# Altium PCB GateDriver_board_pcb.PcbDoc (part 3 of 3)
Units mm, origin at the board's own origin, x right, y up, seen from the top; angles counter-clockwise.
Board outline 138.05 x 67.4 mm, 2 copper layers (Top Layer, Bottom Layer), stack 1.671 mm thick; 340 components, 140 nets, 740 pads, 323 vias.
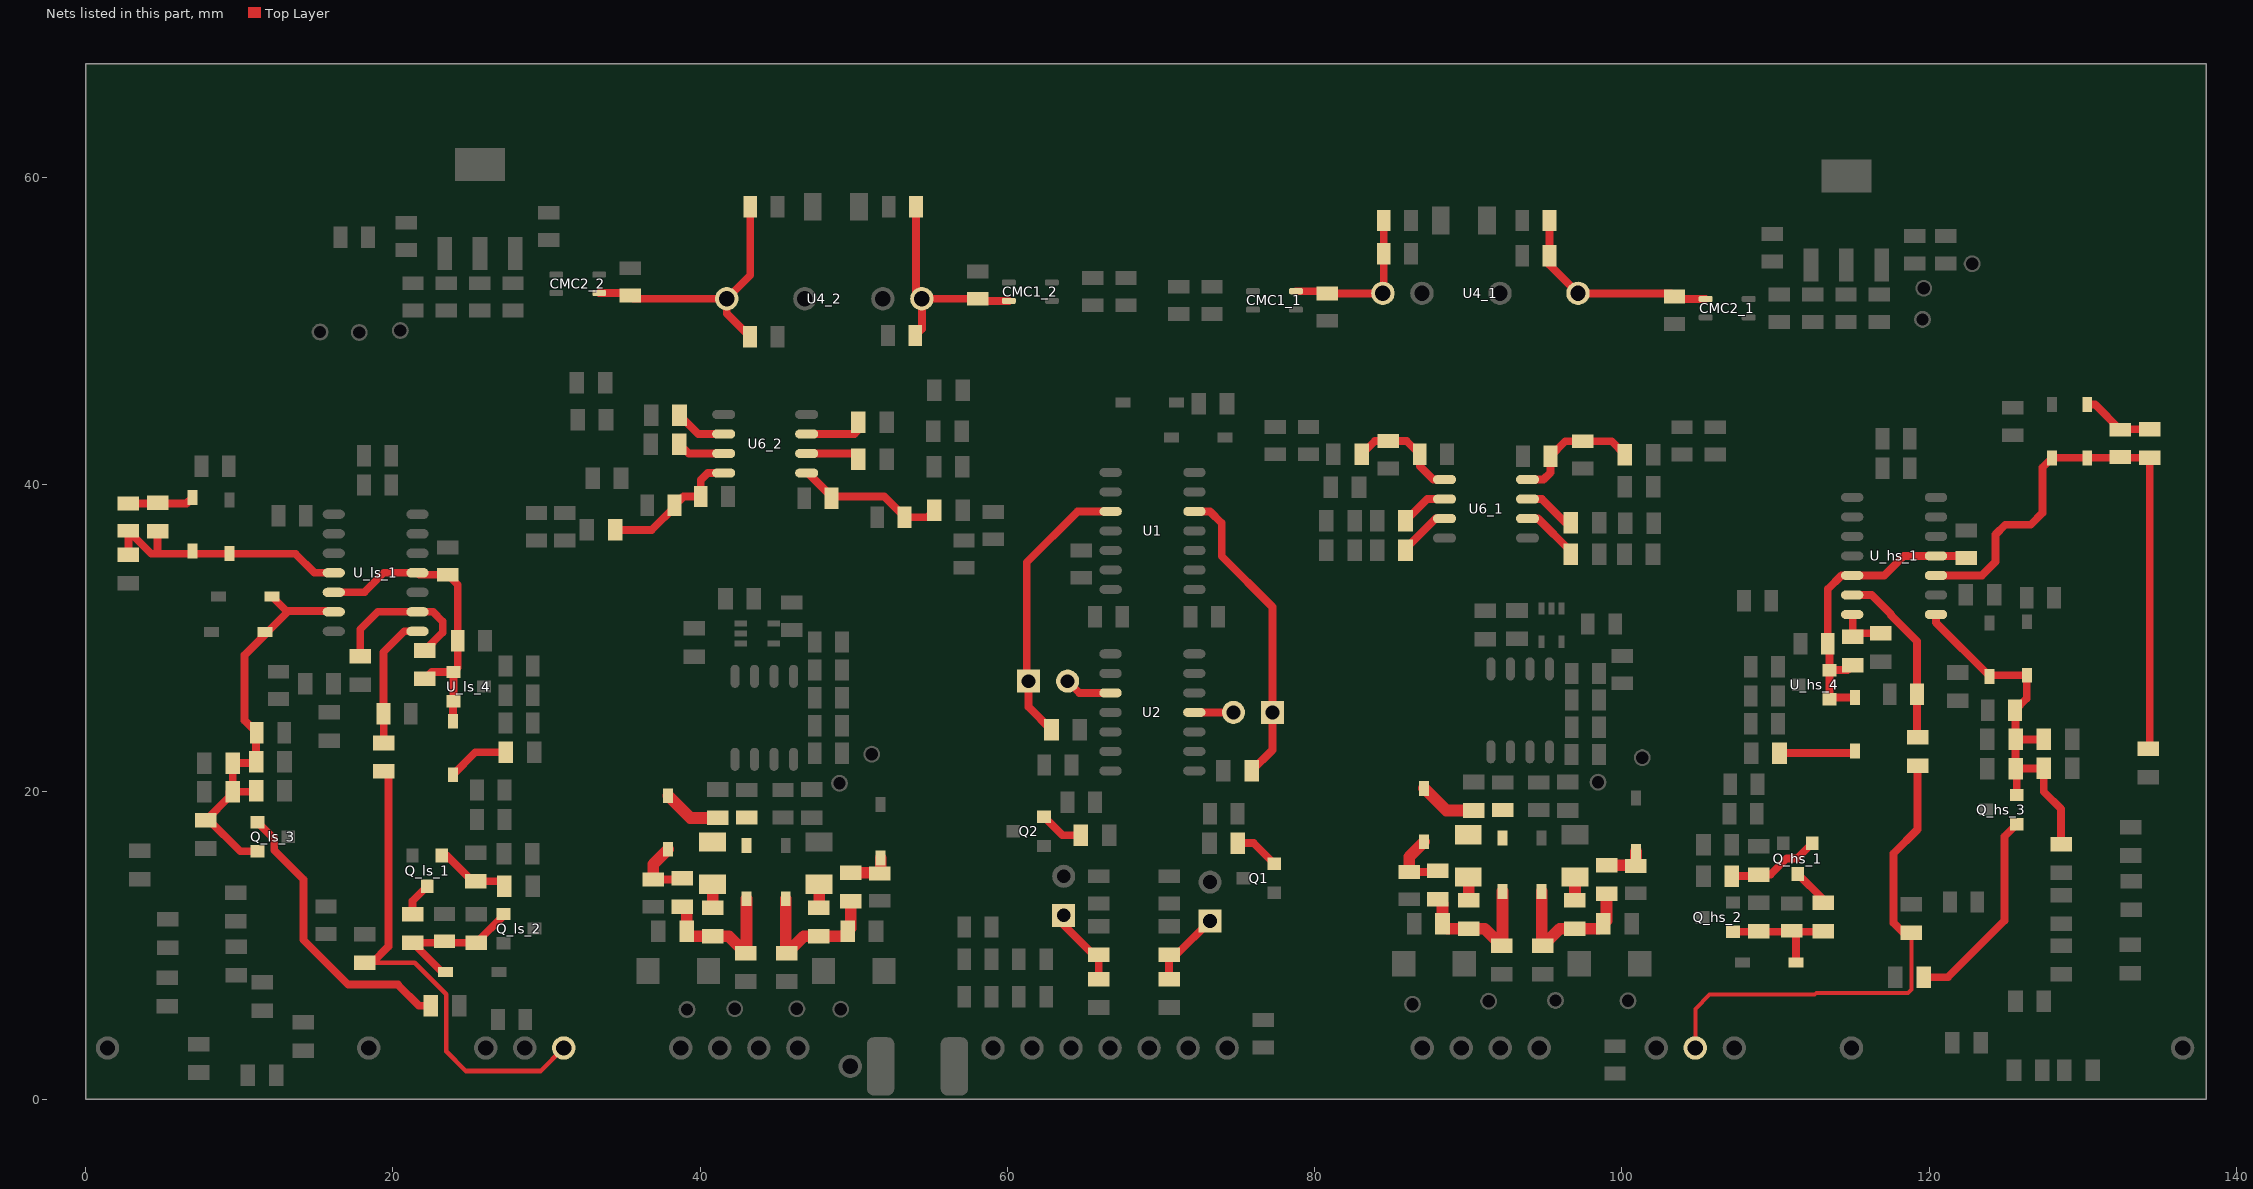
[diagram p3: the nets of this part, all layers, seen from the top]

## Via types
v1: diameter 0.6, hole 0.4, Top Layer to Bottom Layer, tented both sides, 323 vias

## Nets (pads, with @x,y where several pads share a name; then routed paths per layer and width w, separated by ;. In a path a pad name is that pad's centre, name@x,y a point inside that pad or via, vN(x,y) a via of type N, cw(c..) or ccw(c..) an arc to the next point about the centre after c; other vN are vias at no path point) (continued)
NetC23_1_1: C23_1.1 D6_1.1 R14_1.1 | length 2.9
  Top Layer w0.762: R14_1.1@99.002,15.21 100.867,15.21 C23_1.1@100.902,15.175 100.925,15.198 D6_1.1@100.925,16.11
NetC23_2_1: C23_2.1 D6_2.1 R14_2.1 | length 2.9
  Top Layer w0.762: R14_2.1@49.8,14.725 51.665,14.725 51.825,14.885 51.75,14.96 D6_2.1@51.75,15.685
NetC24_1_1: C24_1.1 D8_1.2 D9_1.2 R16_1.1 R17_1.1 | length 3.8
  Top Layer w0.762: D9_1.2@87.127,20.225 88.567,18.785 R16_1.1@90.352,18.785
NetC24_2_1: C24_2.1 D8_2.2 D9_2.2 R16_2.1 R17_2.1 | length 3.8
  Top Layer w0.762: D9_2.2@37.925,19.74 39.365,18.3 R16_2.1@41.15,18.3
NetC25_1_1: C25_1.1 D9_1.1 R18_1.1 | length 4.3
  Top Layer w0.508: C25_1.1@86.152,14.785 87.952,14.785 R18_1.1@88.027,14.86
  Top Layer w0.762: C25_1.1@86.152,14.785 86.152,15.77 D9_1.1@87.127,16.745
NetC25_2_1: C25_2.1 D9_2.1 R18_2.1 | length 4.3
  Top Layer w0.508: C25_2.1@36.95,14.3 38.75,14.3 R18_2.1@38.825,14.375
  Top Layer w0.762: C25_2.1@36.95,14.3 36.95,15.285 D9_2.1@37.925,16.26
NetC26_1_1: C26_1.1 C27_1.1 C28_1.1 CMC1_1.4 U4_1.1 | length 10.5
  Top Layer w0.508: CMC1_1.4@78.789,52.585 80.678,52.585 C27_1.1@80.818,52.445 U4_1.1@84.448,52.445 84.5,52.497 C28_1.1@84.5,55.033 C26_1.1@84.5,57.192
NetC26_2_1: C26_2.1 C27_2.1 C28_2.1 CMC1_2.4 U4_2.1 | length 14.4
  Top Layer w0.508: C28_2.1@54.005,49.7 54.439,50.134 U4_2.1@54.439,52.097 ; C26_2.1@54.062,58.075 54.062,52.474 U4_2.1@54.439,52.097 ; CMC1_2.4@60.098,51.957 58.209,51.957 C27_2.1@58.069,52.097 U4_2.1@54.439,52.097
NetC34_1_1: C34_1.1 C35_1.1 C36_1.1 CMC2_1.1 U4_1.6 | length 14
  Top Layer w0.508: C35_1.1@95.297,57.192 C34_1.1@95.297,54.882 95.297,54.296 U4_1.6@97.148,52.445 103.219,52.445 C36_1.1@103.424,52.24 103.587,52.077 CMC2_1.1@105.453,52.077
NetC34_2_1: C34_2.1 C35_2.1 C36_2.1 CMC2_2.1 U4_2.6 | length 18.2
  Top Layer w0.508: CMC2_2.1@33.434,52.465 35.3,52.465 C36_2.1@35.463,52.302 35.668,52.097 U4_2.6@41.739,52.097 ; C34_2.1@43.25,49.625 41.739,51.136 U4_2.6@41.739,52.097 ; C35_2.1@43.265,58.075 43.265,53.623 U4_2.6@41.739,52.097
NetC_hs_4_2: C_hs_4.2 D_hs_2.1 R_hs_8.1 | length 4.8
  Top Layer w0.508: D_hs_2.1@130.295,45.219 130.804,45.219 C_hs_4.2@132.454,43.569 132.489,43.604 R_hs_8.1@134.359,43.604
NetC_hs_6_1: C_hs_6.1 D_hs_3.1 Q_hs_2.1 R_hs_13.1 R_hs_14.2 | length 8.1
  Top Layer w0.508: Q_hs_2.1@107.242,10.892 111.06,10.892 C_hs_6.1@111.06,10.952 C_hs_6.1@111.12,10.892 ; D_hs_3.1@111.34,8.875 111.34,10.672 C_hs_6.1@111.12,10.892 ; R_hs_13.1@113.1,10.917 113.075,10.892 C_hs_6.1@111.12,10.892
NetC_ls_4_2: C_ls_4.2 D_ls_2.1 R_ls_8.1 | length 4.4
  Top Layer w0.508: C_ls_4.2@2.78,38.767 6.571,38.767 D_ls_2.1@6.971,39.167
NetC_ls_6_1: C_ls_6.1 D_ls_3.1 Q_ls_2.1 R_ls_13.1 R_ls_14.2 | length 9.7
  Top Layer w0.508: D_ls_3.1@23.435,8.275 23.185,8.275 R_ls_13.1@21.285,10.175 R_ls_14.2@25.435,10.175 27.21,11.95 Q_ls_2.1@27.21,12.05
NetD5_1_1: D5_1.1 FB1_1.2 FB2_1.1 R14_1.2 R15_1.2 | length 10.1
  Top Layer w0.762: D5_1.1@94.777,13.52 94.777,10.06 FB2_1.1@94.852,9.985 95.952,11.085 FB1_1.2@96.927,11.085 98.477,11.085 R15_1.2@98.802,11.41 99.002,11.61 R14_1.2@99.002,13.36
NetD5_2_1: D5_2.1 FB1_2.2 FB2_2.1 R14_2.2 R15_2.2 | length 10.1
  Top Layer w0.762: D5_2.1@45.575,13.035 45.575,9.575 FB2_2.1@45.65,9.5 46.75,10.6 FB1_2.2@47.725,10.6 49.275,10.6 R15_2.2@49.6,10.925 49.8,11.125 R14_2.2@49.8,12.875
NetD8_1_1: D8_1.1 FB3_1.2 FB4_1.1 R18_1.2 R19_1.2 | length 9.7
  Top Layer w0.762: R18_1.2@88.027,13.01 88.327,12.71 R19_1.2@88.327,11.41 88.652,11.085 FB3_1.2@90.027,11.085 91.077,11.085 FB4_1.1@92.177,9.985 92.227,10.035 D8_1.1@92.227,13.52
NetD8_2_1: D8_2.1 FB3_2.2 FB4_2.1 R18_2.2 R19_2.2 | length 9.7
  Top Layer w0.762: R18_2.2@38.825,12.525 39.125,12.225 R19_2.2@39.125,10.925 39.45,10.6 FB3_2.2@40.825,10.6 41.875,10.6 FB4_2.1@42.975,9.5 43.025,9.55 D8_2.1@43.025,13.035
NetD_hs_6_2: D_hs_6.2 R_hs_25.1 | length 5
  Top Layer w0.508: R_hs_25.1@110.265,22.524 115.055,22.524 D_hs_6.2@115.182,22.651
NetD_ls_6_2: D_ls_6.2 R_ls_25.1 | length 4.1
  Top Layer w0.508: D_ls_6.2@23.91,21.11 25.371,22.571 R_ls_25.1@27.356,22.571
NetFB1_1_1: FB1_1.1 R13_1.2 | length 1.5
  Top Layer w0.762: FB1_1.1@96.927,12.935 96.952,12.96 R13_1.2@96.952,14.46
NetFB1_2_1: FB1_2.1 R13_2.2 | length 1.5
  Top Layer w0.762: FB1_2.1@47.725,12.45 47.75,12.475 R13_2.2@47.75,13.975
NetFB3_1_1: FB3_1.1 R17_1.2 | length 1.5
  Top Layer w0.762: R17_1.2@90.002,14.46 90.027,14.435 FB3_1.1@90.027,12.935
NetFB3_2_1: FB3_2.1 R17_2.2 | length 1.5
  Top Layer w0.762: R17_2.2@40.8,13.975 40.825,13.95 FB3_2.1@40.825,12.45
NetP1_1: P1.1 R1.2 U1.5 | length 20.2
  Top Layer w0.508: U1.5@72.178,38.25 73.194,38.25 73.956,37.488 73.956,35.329 77.258,32.027 77.258,22.72 R1.2@75.897,21.359
NetP3_1: P3.1 R4.2 R5.1 | length 5.2
  Top Layer w0.508: R4.2@70.527,7.806 R5.1@70.527,9.385 70.999,9.385 P3.1@73.194,11.58
NetP4_1: P4.1 R7.2 U1.10 | length 18.4
  Top Layer w0.508: R7.2@62.871,24.026 61.383,25.514 P4.1@61.383,27.201 61.261,27.323 61.261,34.936 64.575,38.25 U1.10@66.728,38.25
NetP6_1: P6.1 R10.2 R11.1 | length 5.3
  Top Layer w0.508: P6.1@63.669,11.961 63.669,11.326 65.61,9.385 R11.1@65.955,9.385 R10.2@65.955,7.806
NetQ1_2: Q1.2 R2.1 | length 2.9
  Top Layer w0.508: R2.1@75.008,16.66 76.033,16.66 Q1.2@77.369,15.324
NetQ2_2: Q2.2 R8.1 | length 2.9
  Top Layer w0.508: Q2.2@62.383,18.372 63.587,17.168 R8.1@64.776,17.168
NetQ_hs_1_1: Q_hs_1.1 R_hs_9.1 R_hs_10.2 | length 6.1
  Top Layer w0.508: R_hs_10.2@107.167,14.509 108.818,14.509 R_hs_9.1@108.909,14.6 109.671,14.6 110.737,15.666 111.413,15.666 Q_hs_1.1@112.399,16.652
NetQ_hs_1_3: Q_hs_1.3 R_hs_13.2 | length 2.6
  Top Layer w0.508: Q_hs_1.3@111.449,14.652 113.1,13.001 R_hs_13.2@113.1,12.767
NetQ_hs_3_1: Q_hs_3.1 R_hs_20.1 | length 13.4
  Top Layer w0.508: R_hs_20.1@119.65,7.925 121.225,7.925 124.9,11.6 124.9,17.084 Q_hs_3.1@125.707,17.891
NetQ_ls_1_1: Q_ls_1.1 R_ls_9.1 R_ls_10.2 | length 4.9
  Top Layer w0.508: Q_ls_1.1@23.185,15.85 23.51,15.85 25.185,14.175 R_ls_9.1@25.41,14.175 26.935,14.175 R_ls_10.2@27.26,13.85
NetQ_ls_1_3: Q_ls_1.3 R_ls_13.2 | length 2.2
  Top Layer w0.508: R_ls_13.2@21.285,12.025 21.285,12.9 Q_ls_1.3@22.235,13.85
NetQ_ls_3_1: Q_ls_3.1 R_ls_20.1 | length 19
  Top Layer w0.508: Q_ls_3.1@11.185,18.025 12.278,16.932 12.278,16.197 14.175,14.3 14.175,10.375 17.1,7.45 20.325,7.45 21.7,6.075 R_ls_20.1@22.475,6.075
NetR20_1_2: R20_1.2 U6_1.2 | length 3.1
  Top Layer w0.508: R20_1.2@85.919,37.638 87.337,39.056 U6_1.2@88.459,39.056
NetR20_2_2: R20_2.2 U6_2.2 | length 3.5
  Top Layer w0.508: U6_2.2@46.937,42.019 49.916,42.019 R20_2.2@50.297,41.638
NetR21_1_2: R21_1.2 U6_1.7 | length 3.5
  Top Layer w0.508: U6_1.7@93.859,39.056 93.865,39.05 94.8,39.05 96.325,37.525 R21_1.2@96.675,37.525
NetR21_2_2: R21_2.2 U6_2.7 | length 3.1
  Top Layer w0.508: R21_2.2@38.65,42.625 39.256,42.019 U6_2.7@41.537,42.019
NetR22_1_2: R22_1.2 U6_1.3 | length 3.4
  Top Layer w0.508: R22_1.2@85.919,35.733 85.919,35.816 87.889,37.786 U6_1.3@88.459,37.786
NetR22_2_2: R22_2.2 U6_2.3 | length 3.5
  Top Layer w0.508: U6_2.3@46.937,43.289 50.043,43.289 R22_2.2@50.297,43.543
NetR23_1_2: R23_1.2 U6_1.6 | length 3.9
  Top Layer w0.508: U6_1.6@93.859,37.786 94.539,37.786 96.675,35.65 R23_1.2@96.675,35.45
NetR23_2_2: R23_2.2 U6_2.6 | length 3.4
  Top Layer w0.508: R23_2.2@38.661,44.501 39.873,43.289 U6_2.6@41.537,43.289
NOR_high_level_1: P4.2 U2.10 | length 3.1
  Top Layer w0.508: P4.2@63.923,27.201 64.685,26.439 U2.10@66.717,26.439
NOR_high_level_2: P1.2 U2.4 | length 2.6
  Top Layer w0.508: U2.4@72.167,25.169 P1.2@74.718,25.169
Overcurrent_sig_hs: C_hs_7.1 D_hs_4.1 D_hs_5.2 Q_hs_3.2 R_hs_19.2 R_hs_21.2 R_hs_22.2 R_hs_23.2 R_hs_24.2 U_hs_1.8 | length 25.2
  Top Layer w0.508: U_hs_1.8@120.447,31.541 120.447,31.013 D_hs_4.1@123.945,27.515 124.017,27.587 D_hs_5.2@126.358,27.587 126.358,26.079 C_hs_7.1@125.597,25.318 125.632,25.283 R_hs_23.2@125.632,23.413 ; Q_hs_3.2@125.707,19.791 125.707,21.433 R_hs_21.2@125.632,21.508 ; R_hs_24.2@127.465,23.413 R_hs_23.2@125.632,23.413 ; R_hs_19.2@128.594,16.575 128.594,18.875 127.465,20.004 R_hs_22.2@127.465,21.544 127.429,21.508 R_hs_21.2@125.632,21.508 ; R_hs_21.2@125.632,21.508 R_hs_23.2@125.632,23.413
Overcurrent_sig_ls: C_ls_7.1 D_ls_4.1 D_ls_5.2 Q_ls_3.2 R_ls_19.2 R_ls_21.2 R_ls_22.2 R_ls_23.2 R_ls_24.2 U_ls_1.6 | length 27.7
  Top Layer w0.508: R_ls_22.2@9.406,20 R_ls_22.2@9.581,20 11.034,20 R_ls_21.2@11.098,20.064 ; Q_ls_3.2@11.185,16.125 10.067,16.125 8.036,18.156 R_ls_19.2@7.835,18.156 9.356,19.677 9.356,20 9.581,20.225 R_ls_24.2@9.581,21.869 10.998,21.869 R_ls_23.2@11.098,21.969 11.098,23.803 C_ls_7.1@11.145,23.85 10.345,24.65 10.345,28.895 13.164,31.714 ; D_ls_4.1@12.125,32.725 13.136,31.714 13.164,31.714 ; U_ls_1.6@16.154,31.714 16.096,31.772 14.318,31.772 14.314,31.768 13.218,31.768 13.164,31.714
OverTemp_ref_hs: R_hs_12.2 R_hs_29.2 U_hs_1.7 | length 3.4
  Top Layer w0.508: U_hs_1.7@114.997,31.541 115.025,31.513 R_hs_12.2@115.025,30.1 115.25,30.325 R_hs_29.2@116.85,30.325
OverTemp_ref_ls: R_ls_12.2 R_ls_29.2 U_ls_1.9 | length 10.2
  Top Layer w0.508: R_ls_29.2@17.875,28.825 17.875,30.575 19.014,31.714 U_ls_1.9@21.604,31.714 22.611,31.714 23.25,31.075 23.25,30.375 R_ls_12.2@22.075,29.2
OverTemp_sig_hs: C_hs_5.1 R_hs_11.2 U_hs_1.6 | length 11.8
  Top Layer w0.508: U_hs_1.6@114.997,32.811 116.264,32.811 117.525,31.55 117.525,31.494 119.215,29.804 C_hs_5.1@119.215,26.35 119.215,23.571 R_hs_11.2@119.246,23.54
OverTemp_sig_ls: C_ls_5.1 R_ls_11.2 U_ls_1.8 | length 8.7
  Top Layer w0.508: R_ls_11.2@19.41,23.175 19.41,25.05 C_ls_5.1@19.385,25.075 19.385,29.089 20.74,30.444 U_ls_1.8@21.604,30.444
OverVoltage_hs: C_hs_4.1 D_hs_1.1 D_hs_2.2 R_hs_7.2 R_hs_8.2 U_hs_1.10 | length 40.3
  Top Layer w0.508: U_hs_1.10@120.447,34.081 123.437,34.081 124.326,34.97 124.326,36.748 124.961,37.383 126.612,37.383 127.374,38.145 127.374,41.104 D_hs_1.1@128.009,41.739 D_hs_2.2@130.295,41.739 134.344,41.739 R_hs_8.2@134.359,41.754 ; R_hs_7.2@134.25,22.8 134.359,22.909 R_hs_8.2@134.359,41.754 ; 134.359,40.302 R_hs_8.2@134.359,41.754
OverVoltage_ls: C_ls_4.1 D_ls_1.1 D_ls_2.2 R_ls_7.2 R_ls_8.2 U_ls_1.4 | length 17.5
  Top Layer w0.508: C_ls_4.1@2.78,36.987 C_ls_4.1@2.785,36.982 ; R_ls_7.2@2.785,35.425 C_ls_4.1@2.785,36.982 ; R_ls_8.2@4.67,36.937 R_ls_8.2@4.685,36.952 4.685,35.5 ; U_ls_1.4@16.154,34.254 14.902,34.254 13.656,35.5 4.685,35.5 ; C_ls_4.1@2.785,36.982 4.267,35.5 4.685,35.5
V_ref_hs: C_hs_11.1 C_hs_13.1 D_hs_6.1 R_hs_12.1 U_hs_1.5 U_hs_1.11 U_hs_4.1 U_hs_4.2 | length 20.5
  Top Layer w0.508: R_hs_12.1@115.025,28.25 114.694,27.919 U_hs_4.2@113.515,27.919 ; D_hs_6.1@115.182,26.131 113.627,26.131 U_hs_4.1@113.515,26.019 U_hs_4.2@113.515,27.919 ; C_hs_13.1@122.421,35.223 122.293,35.351 U_hs_1.11@120.447,35.351 118.357,35.351 117.087,34.081 U_hs_1.5@114.997,34.081 114.293,34.081 113.405,33.193 C_hs_11.1@113.405,29.636 113.515,29.526 U_hs_4.2@113.515,27.919
V_ref_ls: C_ls_11.1 C_ls_13.1 D_ls_6.1 R_ls_12.1 U_ls_1.5 U_ls_1.11 U_ls_4.1 U_ls_4.2 | length 20
  Top Layer w0.508: U_ls_1.5@16.154,32.984 18.144,32.984 19.414,34.254 U_ls_1.11@21.604,34.254 21.732,34.126 C_ls_13.1@23.578,34.126 24.223,33.481 C_ls_11.1@24.223,29.825 24.223,28.085 U_ls_4.1@23.938,27.8 ; R_ls_12.1@22.075,27.35 22.525,27.8 U_ls_4.1@23.938,27.8 ; D_ls_6.1@23.91,24.59 23.91,25.872 U_ls_4.2@23.938,25.9 U_ls_4.1@23.938,27.8
V_temp_hs: R_hs_11.1 R_hs_27.1 V_TEMP_HS.1 | length 33.1
  Top Layer w0.254: V_TEMP_HS.1@104.785,3.325 104.785,5.865 105.717,6.797 112.551,6.797 112.668,6.914 116.432,6.914 116.451,6.895 118.62,6.895 118.845,7.12 118.845,8.762 118.85,8.767 R_hs_27.1@118.85,10.825
  Top Layer w0.508: R_hs_27.1@118.85,10.825 118.325,10.825 117.693,11.457 117.693,15.993 119.246,17.546 R_hs_11.1@119.246,21.69
V_temp_ls: R_ls_11.1 R_ls_27.1 V_TEMP_LS.1 | length 31.7
  Top Layer w0.305: R_ls_27.1@18.185,8.875 18.66,8.875 21.425,8.875 23.475,6.825 23.475,3.1 24.75,1.825 29.625,1.825 V_TEMP_LS.1@31.125,3.325
  Top Layer w0.508: R_ls_27.1@18.66,8.875 19.71,9.925 19.71,21.025 R_ls_11.1@19.41,21.325
VCC_driver_1: C44_1.1 C45_1.1 FB5_1.2 U6_1.1 | length 7.1
  Top Layer w0.508: FB5_1.2@83.067,41.976 83.916,42.825 C44_1.1@84.791,42.825 85.992,42.825 C45_1.1@86.84,41.977 86.84,41.21 87.724,40.326 U6_1.1@88.35,40.326
VCC_driver_2: C44_2.1 C45_2.1 FB5_2.2 U6_2.1 | length 9.7
  Top Layer w0.508: U6_2.1@46.937,40.749 47.025,40.749 48.556,39.218 51.984,39.218 53.315,37.887 C44_2.1@53.315,37.875 54.789,37.875 FB5_2.2@55.25,38.336
VCC_driver_iso_1: C46_1.1 C47_1.1 FB6_1.1 U6_1.8 | length 8.4
  Top Layer w0.508: U6_1.8@93.859,40.326 94.901,40.326 95.351,40.776 C47_1.1@95.351,41.85 96.316,42.815 C46_1.1@97.45,42.815 99.333,42.815 FB6_1.1@100.197,41.951
VCC_driver_iso_2: C46_2.1 C47_2.1 FB6_2.1 U6_2.8 | length 9.3
  Top Layer w0.508: FB6_2.1@34.475,37.05 36.85,37.05 C46_2.1@38.395,38.595 ; C46_2.1@38.34,38.65 38.915,39.225 C47_2.1@40.045,39.225 40.045,40.295 40.499,40.749 U6_2.8@41.537,40.749
pads on no net: FIX1.FIX FIX2.FIX U_hs_1.2 U_ls_1.13

## Polygon pours and split planes (outlines as drawn)
12V_iso_1 on Top Layer "VCC_gate_driver_IC_top_plane" (solid, pour order 414): 97.702,29.089 ccw(c97.531,29.089) 97.652,29.21 ccw(c97.471,29.029) 97.471,29.285 94.798,29.285 ccw(c94.798,29.114) 94.677,29.235 94.67,29.228 ccw(c94.712,29.185) 94.652,29.185 94.652,21.851 ccw(c94.993,21.851) 94.752,21.61 ccw(c95.114,21.972) 95.114,21.46 95.141,21.463 ccw(c95.199,22.057) 95.199,21.46 97.456,21.46 ccw(c97.456,21.631) 97.577,21.51 ccw(c97.275,21.812) 97.702,21.812
GND_iso_hs on Top Layer "GND_gate_driver_IC_top_plane2" (solid, pour order 413): 99.457,28.05 cw(c99.457,28.517) 99.127,28.187 98.872,28.442 ccw(c98.55,28.12) 98.55,28.575 98.056,28.575 ccw(c98.056,28.319) 97.875,28.5 ccw(c98.025,28.35) 97.813,28.35 97.813,21.658 ccw(c97.929,21.658) 97.847,21.576 97.869,21.554 ccw(c98.125,21.81) 98.125,21.448 99.15,21.448 99.844,21.45 ccw(c99.844,21.706) 100.025,21.525 ccw(c99.723,21.827) 100.15,21.827 100.15,25.4 cw(c100.633,25.4) 100.291,25.741 101,26.45 ccw(c100.517,26.933) 101.2,26.933 101.2,27.623 ccw(c100.773,27.623) 101.075,27.925 ccw(c100.773,27.623) 100.773,28.05
GND_iso_hs on Top Layer "GND_gate_driver_IC_top_plane" (solid, pour order 412): 90.459,23.428 94.35,23.428 94.35,27.111 90.586,27.111 90.205,26.73 90.205,23.682
GND_iso_hs on Top Layer "GND_Vref_comparator" (solid, pour order 391): 112.388,24.429 111.499,23.54 110.102,23.54 109.467,24.175 109.467,30.525 109.975,31.033 111.88,31.033 112.388,30.525
GND_iso_hs on Top Layer "Gate_circuit_source_tie" (solid, pour order 397): 102.777,7.535 102.902,7.66 102.902,13.26 102.152,14.01 100.452,14.01 100.102,13.66 100.102,12.41 99.852,12.16 99.852,8.06 100.377,7.535
NetC22_1_1 on Top Layer "Gate_circuit_multicomponent_node" (solid, pour order 395): 97.702,18.51 98.052,18.16 98.052,16.535 97.702,16.185 94.477,16.185 94.152,16.51 94.152,17.56 93.702,18.01 93.702,19.36 93.902,19.56 97.152,19.56 97.702,19.01
NetC24_1_1 on Top Layer "Gate_circuit_multicomponent_node2" (solid, pour order 399): 89.252,18.51 88.902,18.16 88.902,16.535 89.252,16.185 92.477,16.185 92.802,16.51 92.802,17.56 93.252,18.01 93.252,19.36 93.052,19.56 89.802,19.56 89.252,19.01
GND_iso_hs on Top Layer "Gate_circuit_source_tie" (solid, pour order 400): 84.227,7.535 84.102,7.66 84.102,13.26 84.852,14.01 86.552,14.01 86.902,13.66 86.902,12.41 87.152,12.16 87.152,8.06 86.627,7.535
GND_iso_ls on Top Layer "GND_gate_driver_IC_top_plane2" (solid, pour order 411): 48.663,21.71 ccw(c48.779,21.71) 48.697,21.628 48.719,21.606 ccw(c48.975,21.862) 48.975,21.5 50.519,21.5 ccw(c50.519,21.756) 50.7,21.575 ccw(c50.398,21.877) 50.825,21.877 50.825,30.419 ccw(c50.569,30.419) 50.75,30.6 ccw(c50.569,30.419) 50.569,30.675 48.846,30.675 ccw(c48.846,30.504) 48.725,30.625 ccw(c48.875,30.475) 48.663,30.475
12V_iso on Top Layer "VCC_gate_driver_IC_top_plane" (solid, pour order 393): 48.5,28.604 ccw(c48.329,28.604) 48.45,28.725 ccw(c48.269,28.544) 48.269,28.8 45.596,28.8 ccw(c45.596,28.629) 45.475,28.75 45.468,28.743 ccw(c45.51,28.7) 45.45,28.7 45.45,21.366 ccw(c45.791,21.366) 45.55,21.125 ccw(c45.912,21.487) 45.912,20.975 45.939,20.978 ccw(c45.997,21.572) 45.997,20.975 48.254,20.975 ccw(c48.254,21.146) 48.375,21.025 ccw(c48.073,21.327) 48.5,21.327
GND_iso_ls on Top Layer "GND_gate_driver_IC_top_plane" (solid, pour order 392): 41.257,22.943 45.148,22.943 45.148,26.626 41.384,26.626 41.003,26.245 41.003,23.197
GND_iso_sig_iso_2 on Top Layer "GND_iso_signal_isolator_top_direct_connect" (solid, pour order 371): 37.481,38.406 37.2,38.125 35.55,38.125 35.275,38.4 35.275,38.975 34.95,39.3 34.275,39.3 34.05,39.525 34.05,41.575 34.225,41.75 36.11,41.75 36.458,41.402 36.923,41.402 37.481,40.825
GND on Top Layer "iso_power_GND_plane" (solid, pour order 375): 69.025,54.301 69.025,53.15 68.686,52.811 63.911,52.811 63.784,52.938 63.784,53.573 64.292,54.081 64.292,54.716 64.927,55.351 67.975,55.351
GND_iso_ls on Top Layer "GND_Vref_comparator" (solid, pour order 407): 25.297,24.567 26.186,23.678 27.583,23.678 28.218,24.313 28.218,30.663 27.71,31.171 25.805,31.171 25.297,30.663
GND_iso_ls on Top Layer "Gate_circuit_source_tie" (solid, pour order 406): 35.025,7.05 34.9,7.175 34.9,12.775 35.65,13.525 37.35,13.525 37.7,13.175 37.7,11.925 37.95,11.675 37.95,7.575 37.425,7.05
GND_iso_ls on Top Layer "ISO_power_GND_plane_LDO_LS_top_direct_connect" (solid, pour order 379): 20.504,58.075 19.846,57.417 19.846,56.782 20.1,56.528 24.037,56.528 24.278,56.287 24.278,54.115 23.913,53.75 20.587,53.75 20.362,53.525 20.362,52.6 20.512,52.45 28.612,52.45 28.787,52.625 28.787,53.575 28.662,53.7 27.36,53.7 27.072,53.988 27.072,55.906 27.022,55.956 27.593,56.528 30.514,56.528 31.403,57.417 31.403,58.075
GND_iso_ls on Top Layer "ISO_power_GND_plane_LDO_LS_top_direct_connect" (solid, pour order 378): 21.497,63.386 21.497,59.42 31.403,59.42 31.403,63.894 30.641,64.656 22.767,64.656
GND_iso_hs on Top Layer "ISO_power_GND_plane_LDO_HEAT" (solid, pour order 381): 18.576,59.449
NetC1_2_1 on Top Layer "Power_supply_interdomain_cap_1_2" (solid, pour order 403): 50.437,59.497 50.84,59.9 52.615,59.9 52.812,59.7 52.812,57.142 52.512,56.842 50.787,56.842 50.437,57.192
NetC1_2_2 on Top Layer "Power_supply_interdomain_cap_2_2" (solid, pour order 405): 47.245,59.47 46.965,59.75 45.118,59.75 44.87,59.512 44.87,57.142 45.17,56.842 46.895,56.842 47.245,57.192
NetC1_1_2 on Top Layer "Power_supply_interdomain_cap_2_1" (solid, pour order 404): 93.692,54.3 93.467,54.075 91.567,54.075 91.317,54.325 91.317,58.075 91.667,58.425 93.392,58.425 93.692,58.125
NetC1_1_1 on Top Layer "Power_supply_interdomain_cap_1_1" (solid, pour order 402): 85.75,54.3 85.975,54.075 87.875,54.075 88.125,54.325 88.125,58.075 87.775,58.425 86.05,58.425 85.75,58.125
GND on Top Layer "GND_interface_connection_plane" (solid, pour order 401): 58.3,5.925 58.75,5.475 61.075,5.475 61.375,5.775 61.375,9.825 59.7,11.5 59.7,12.4 59.525,12.575 58.45,12.575 58.3,12.425
NetC24_2_1 on Top Layer "Gate_circuit_multicomponent_node2" (solid, pour order 398): 40.05,18.025 39.7,17.675 39.7,16.05 40.05,15.7 43.275,15.7 43.6,16.025 43.6,17.075 44.05,17.525 44.05,18.875 43.85,19.075 40.6,19.075 40.05,18.525
GND_iso_ls on Top Layer "Gate_circuit_source_tie" (solid, pour order 396): 53.575,7.05 53.7,7.175 53.7,12.775 52.95,13.525 51.25,13.525 50.9,13.175 50.9,11.925 50.65,11.675 50.65,7.575 51.175,7.05
NetC22_2_1 on Top Layer "Gate_circuit_multicomponent_node" (solid, pour order 394): 48.5,18.025 48.85,17.675 48.85,16.05 48.5,15.7 45.275,15.7 44.95,16.025 44.95,17.075 44.5,17.525 44.5,18.875 44.7,19.075 47.95,19.075 48.5,18.525
GND_iso_sig_iso_1 on Top Layer "GND_signal_isolator_top_direct_connect" (solid, pour order 390): 99.875,41.075 100.275,40.675 100.275,39.225 99.8,38.75 96.8,38.75 96.7,38.85 96.7,40.875 96.9,41.075
GND_sig_iso_1 on Top Layer "GND_signal_isolator_top_direct_connect" (solid, pour order 373): 85.396,39.826 85.65,40.08 85.65,41.175 85.45,41.375 84.05,41.375 83.575,40.9 82.427,40.9 82.257,40.73 82.257,38.952 84.035,38.952 84.532,38.952 84.903,38.952 85.396,39.445
GND_iso_hs on Top Layer "ISO_power_GND_plane_LDO_HEAT" (solid, pour order 380): 107.514,58.716
GND_iso_hs on Top Layer "ISO_power_GND_plane_LDO_HEAT" (solid, pour order 377): 112.975,55.795 113.216,55.554 113.216,53.382 113.597,53.001 115.756,53.001 116.01,53.255 116.01,55.173 115.96,55.223 116.531,55.795 119.452,55.795 120.341,56.684 120.341,63.161 119.579,63.923 111.705,63.923 110.435,62.653 110.435,58.335 108.784,56.684 108.784,56.049 109.038,55.795
GND_iso_hs on Top Layer "ISO_power_GND_plane" (solid, pour order 376): 109.393,51.096 109.393,49.953 110.155,49.191 116.886,49.191 117.775,50.08 117.775,50.969 117.648,51.096
GND on Top Layer "iso_power_GND_plane" (solid, pour order 374): 70.15,49.953 70.912,49.191 73.96,49.191 74.595,49.826 74.595,50.461 75.103,50.969 75.103,51.604 74.976,51.731 70.531,51.731 70.15,51.35
GND_iso_ls on Top Layer "GND_signal_isolator_top_logic_side" (solid, pour order 370): 31.675,42.164 31.189,42.164 30.85,41.825 30.85,39.45 31.184,39.116 31.802,39.116 33.417,39.116 33.417,42.164
GND_sig_iso_2 on Top Layer "GND_signal_isolator_top_direct_connect" (solid, pour order 372): 54.92,40.271 54.049,39.4 52.75,39.4 52.575,39.575 52.575,40.475 53.225,41.125 53.225,41.975 53.575,42.325 54.697,42.325 54.973,42.049 55.862,42.049 55.862,40.271
GND_iso_hs on Bottom Layer "GND_iso_hs_main_plane" (solid, pour order 409): 91.175,33.8 89.55,32.15 89.55,28.65 88.625,27.725 83.65,22.75 83.65,2.275 84.975,0.95 134.85,0.95 136.425,2.525 136.425,46.725 131.125,52.025 125.95,52.025 122.866,55.109 113.8,55.109 108.263,49.572 105.55,45.8 105,45.25 102.65,45.25 101.45,44.05 101.45,34.425 100,32.975 96.225,32.975 95.4,33.8
GND_iso_ls on Bottom Layer "GND_iso_ls_main_plane" (solid, pour order 410): 54.821,27.029 cw(c53.968,26.175) 55.175,26.175 55.175,23.875 54.15,22.85 54.125,22.425 54.125,6.625 52.35,4.85 50.175,4.85 48.35,3.025 48.35,1.45 47.5,0.6 3.35,0.6 2.1,1.85 2.1,14.3 1.3,15.1 1.3,45.9 5.275,49.875 13.023,49.875 13.998,50.8 28.64,50.8 28.657,50.782 29.293,50.782 32.875,47.2 32.875,35.325 33.2,35 46.875,35 52.4,29.475 52.412,29.438
GND on Bottom Layer "GND_main_plane" (solid, pour order 408): 57.875,3 57.875,2.625 59.025,1.475 79.925,1.475 80.475,2.025 80.475,32.2 81.45,33.175 81.45,43.725 77.125,48.05 75.75,48.05 75.425,48.375 75.425,60.35 74.281,61.494 63.384,61.534 62.345,60.495 62.345,50.795 61.675,50.125 58.325,50.125 56.275,48.075 56.275,33.725 57.812,32.187 57.825,14.3 56.4,12.875 56.4,5.35 57.087,4.663 57.875,3.9
GND on Bottom Layer "ISO_power_GND" (solid, pour order 383): 64.546,50.652 63.657,51.541 63.657,55.732 64.292,56.367 69.88,56.367 70.515,55.732 70.515,51.595 69.572,50.652
NetC1_2_2 on Bottom Layer "ISO_power_GND_iso_post_choke" (solid, pour order 387): 42.29,59.25 42.89,59.85 47.54,59.85 47.909,59.475 47.909,51.475 47.498,51.033 34.447,51.033 33.939,51.541 33.939,55.732 34.598,56.391 41.965,56.391 42.29,56.7
GND_iso_ls on Bottom Layer "ISO_power_GND_iso" (solid, pour order 389): 13.812,49.875 13.812,56.1 15.187,57.475 17.212,57.475 20.187,60.45 20.187,63.95 21.862,65.625 31.062,65.625 32.312,64.375 32.312,60.525 32.312,56.575 31.062,55.325 30.162,55.325 29.45,54.613 29.45,53.613 29.438,53.601 29.438,50.052 29.437,50.003 28.596,49.162 20.468,49.162 14.525,49.162
NetC1_2_1 on Bottom Layer "ISO_power_GND_post_choke" (solid, pour order 385): 54.79,59.1 54.79,59.8 54.59,60 50.715,60 50.565,59.85 50.565,55.667 50.572,51.3 51.213,50.652 58.958,50.652 59.339,51.033 59.339,54.843 57.59,56.592 55.34,56.592 54.79,57.125
NetC1_1_1 on Bottom Layer "ISO_power_GND_post_choke" (solid, pour order 384): 87.455,47.95 88.322,48.875 88.311,55.287 88.311,57.954 87.803,58.462 83.104,58.462 82.85,58.208 82.85,54.906 81.834,53.89 79.929,53.89 79.548,53.509 79.548,49.699 81.297,47.95
GND_sig_iso_1 on Bottom Layer "GND_signal_isolator_1" (solid, pour order 367): 86.975,43.247 86.447,43.775 83.35,43.775 83.35,43.625 82.904,43.175 82.904,34.482 83.284,34.102 83.285,34.103 85.698,34.103 87.73,36.135 87.73,39.8 88.125,40.225 88.575,40.675 88.575,42.975 88.275,43.247
GND_iso_sig_iso_1 on Bottom Layer "GND_signal_isolator_iso_side" (solid, pour order 369): 94,42.075 94,40.625 94.45,40.175 94.45,36.75 94.475,36.175 94.475,35.825 95.75,34.55 100.025,34.55 100.275,34.8 100.275,43.125 99.925,43.5 95.425,43.5
GND_iso_hs on Bottom Layer "ISO_power_GND_iso" (solid, pour order 388): 122.875,62.011 122.875,53.643 121.852,52.62 119.058,52.62 118.423,51.985 118.423,49.318 117.534,48.429 109.406,48.429 108.263,49.572 108.263,56.938 110.168,58.843 110.168,62.907 111.692,64.431 120.455,64.431
NetC1_1_2 on Bottom Layer "ISO_power_GND_iso_post_choke" (solid, pour order 386): 96.161,48.151 104.289,48.151 104.948,48.81 104.948,53.001 104.44,53.509 97.455,53.509 96.439,54.525 96.439,57.7 95.804,58.335 91.359,58.335 90.978,57.954 90.978,49.191 90.978,48.435 91.413,48 96.01,48
GND on Bottom Layer "ISO_power_GND" (solid, pour order 382): 74.341,53.89 75.23,53.001 75.23,48.81 74.595,48.175 69.007,48.175 68.372,48.81 68.372,52.947 69.315,53.89
GND_iso_sig_iso_2 on Bottom Layer "GND_signal_isolator_iso_side" (solid, pour order 368): 34.966,37.447 34.966,36.734 35.225,36.475 37.296,36.475 39.284,38.463 41.938,38.463 42.35,38.875 42.35,40 41.875,40.475 41.125,40.475 40.554,41.025 40.554,46.083 39.787,46.85 35.375,46.85 34.966,46.45 34.966,38.463
GND_sig_iso_2 on Bottom Layer "GND_signal_isolator_1" (solid, pour order 366): 54.143,37.32 53.648,36.825 51.272,36.825 50.968,37.13 49.634,38.463 49.063,38.463 47.212,38.463 46.775,38.9 46.775,40.459 47.666,41.35 47.666,44.94 49.326,46.6 53.554,46.6 54.143,46.029 54.143,38.463

## Other copper
Bottom Layer:
  pour cut-out: 111.472,0.375 111.472,3.56 cw(c114.012,3.56) 114.012,6.1 115.945,6.1 cw(c115.945,3.627) 118.418,3.627 118.418,0.375
  pour cut-out: 14.952,0.375 14.952,3.56 cw(c17.492,3.56) 17.492,6.1 19.425,6.1 cw(c19.425,3.627) 21.898,3.627 21.898,0.375
  pour cut-out: 14.875,-1.825

## Silkscreen, mask and mechanical layers (free items; w line width, h text height)
Top Overlay:
  drawing of 23 lines, arcs and shapes, not listed
  text "L. H. D. Possatti, J. F. Guerreiro, H. G. Junior" at 79.775,65.675 h1
  text "October 2018" at 79.775,63.225 h1.05
board_shape:
  the board outline again, w0.1

## Text inside footprints (layer, text, board x,y; h text height)
TP1_1: Top Overlay "TP_'.Signal_name'" at 99.6,20.55 h0.6
TP1_2: Top Overlay "TP_'.Signal_name'" at 51.6,20.45 h0.6
TP2_1: Top Overlay "TP_'.Signal_name'" at 100.675,23.325 h0.6
TP2_2: Top Overlay "TP_'.Signal_name'" at 52,22.225 h0.6
TP3_1: Top Overlay "TP_'.Signal_name'" at 93.45,4.9 h0.6
TP3_2: Top Overlay "TP_'.Signal_name'" at 45.075,4.575 h0.6
TP4_1: Top Overlay "TP_'.Signal_name'" at 99.077,5.044 h0.6
TP4_2: Top Overlay "TP_'.Signal_name'" at 48.8,4.45 h0.6
TP5_1: Top Overlay "TP_'.Signal_name'" at 88.9,4.95 h0.6
TP5_2: Top Overlay "TP_'.Signal_name'" at 40.35,4.475 h0.6
TP6_1: Top Overlay "TP_'.Signal_name'" at 83.625,4.825 h0.6
TP6_2: Top Overlay "TP_'.Signal_name'" at 36.5,4.475 h0.6
TP7_1: Top Overlay "TP_'.Signal_name'" at 123.725,54.15 h0.6
TP7_2: Top Overlay "TP_'.Signal_name'" at 16.337,48.125 h0.6
TP8_1: Top Overlay "TP_'.Signal_name'" at 120.625,50.55 h0.6
TP8_2: Top Overlay "TP_'.Signal_name'" at 21.762,49.775 h0.6
TP10_1: Top Overlay "TP_'.Signal_name'" at 120.725,52.275 h0.6
TP10_2: Top Overlay "TP_'.Signal_name'" at 11.287,49.625 h0.6